# Altium PCB PCB_Vega.PcbDoc (part 2 of 2) (continued)
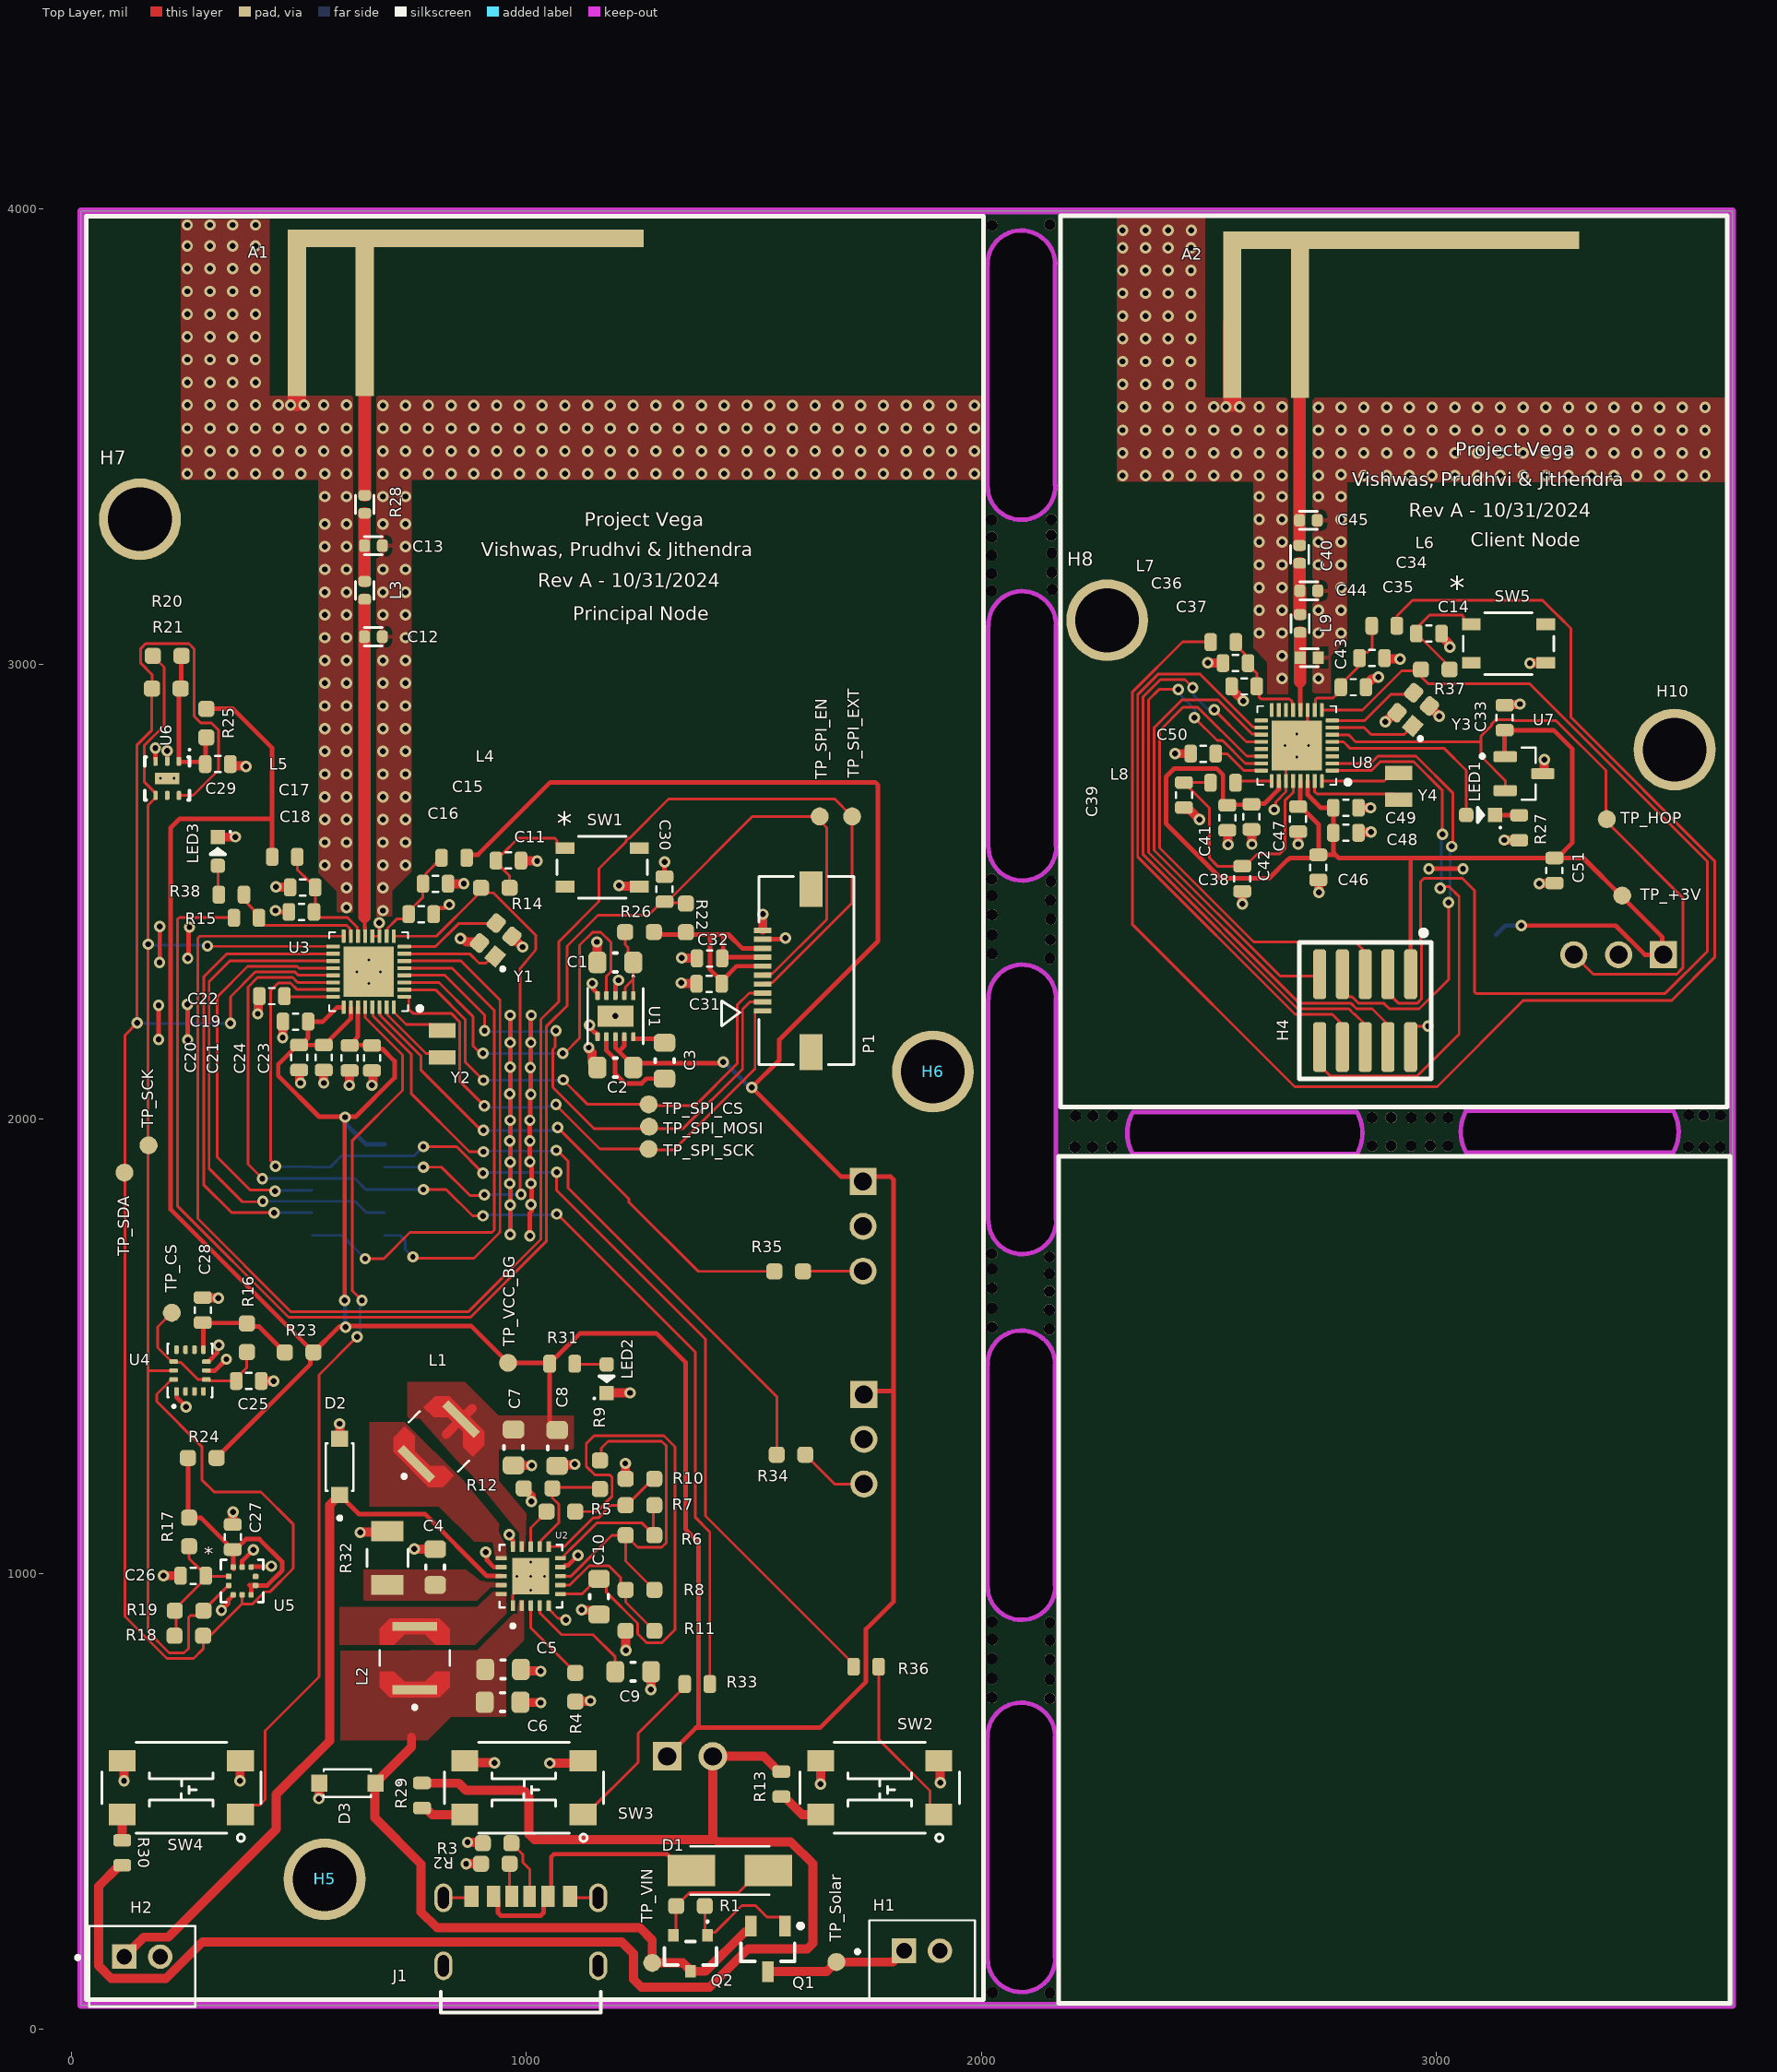
[diagram p0: Top Layer view]
## Nets (pads, with @x,y where several pads share a name; then routed paths per layer and width w, separated by ;. In a path a pad name is that pad's centre, name@x,y a point inside that pad or via, vN(x,y) a via of type N, cw(c..) or ccw(c..) an arc to the next point about the centre after c; other vN are vias at no path point) (continued)
  Top Layer w27.56: L3.2@644.84,3181.84 C13.1@644.84,3264.84 ; C13.1@644.84,3265.16 R28.1@644.84,3331.16
NetC14_1: C14.1 R37.2 SW5.1 | length 273.6
  Top Layer w6: C14.1@2956.44,3067 2961.44,3062 2961.44,3058.2 2966.92,3052.72 2970.72,3052.72 3018.4,3005.05 3018.4,2996.85 R37.2@3029,2986.24 ; C14.1@2961.17,3061.73 2961.17,3083.17 2986,3108 3056.63,3108 3060.19,3104.44 3060.19,3097.32 3070.19,3087.32 SW5.1@3077.31,3087.32
NetC15_1: C15.1 C16.1 L4.2 U3.10 | length 219.3
  Top Layer w6: U3.10@693.22,2401.78 694.55,2403.11 694.55,2418.55 715.39,2439.39 730.96,2439.39 741.44,2449.88 C16.1@741.44,2450 741.44,2455.91 773,2487.46 C15.1@773,2517 ; C15.1@773,2533 779.69,2533 780.08,2533.39 780.08,2540.08 L4.2@814,2574
NetC17_1: C17.1 C18.1 L5.2 U3.14 | length 269.8
  Top Layer w6: L5.2@496.76,2576.01 496.76,2548.36 521.83,2523.28 525.63,2523.28 536.12,2512.8 C17.1@536.12,2509 536.34,2508.78 C18.1@536.34,2455 ; C18.1@533.56,2455 533.56,2453.48 544.04,2443 607,2443 628.9,2421.1 628.9,2403.11 U3.14@630.23,2401.78
NetC22_1: C22.1 U3.24 | length 107.8
  Top Layer w6: C22.1@468.56,2270 470.05,2268.51 U3.24@575.7,2268.51
NetC25_2: C25.2 R16.2 TP_CS.TP U4.5 U4.12 | length 365.6
  Top Layer w6: TP_CS.TP@221,1574 190,1543 190,1497.33 220.65,1466.68 U4.12@225.07,1466.68 227,1464.76 241.13,1464.76 278.57,1427.32 U4.5@296.93,1427.32 301.35,1427.32 304.67,1424 C25.2@362.44,1424 362.44,1429.91 386,1453.46 R16.2@386,1487.5
NetC26_1: C26.1 R17.2 R18.1 R19.1 U5.1 | length 302.8
  Top Layer w6: R18.1@231.5,853 231,853.5 231,924.5 230.5,925 295.56,990.07 C26.1@295.56,996 ; R17.2@259,1060.5 259,1033.79 282.5,1010.28 285.08,1010.28 295.56,999.8 C26.1@295.56,996 ; U5.1@346.16,994.33 297.23,994.33 C26.1@295.56,996
NetC30_2: C30.2 P1.5 R15.2 R22.1 TP_SPI_EN.TP | length 3544.8
  Top Layer w6: R15.2@357.44,2442 356.44,2443 237.51,2443 234,2439.49 234,1808.03 478.03,1564 877.38,1564 1044,1730.62 1044,2202.91 1089.75,2248.66 1089.75,2379.75 1158,2448 1268.65,2448 1298.09,2477.44 C30.2@1304,2477.44 1309.91,2477.44 1497.46,2665 TP_SPI_EN.TP@1645,2665 1645,2655.97 1660.43,2640.54 1660.43,2438.41 1541.08,2319.06 1522.45,2319.06 P1.5@1519.54,2316.16 ; C30.2@1309.91,2475.47 1349.03,2475.47 R22.1@1351,2473.5
NetC34_1: C34.1 C35.1 L6.2 U8.10 | length 261.9
  Top Layer w6: U8.10@2733.05,2899 2734.39,2900.33 2734.39,2921.39 2738,2925 2773.08,2925 2782.06,2933.98 2782.06,2940.62 C35.1@2790.44,2949 2790.44,2955 2829.44,2994 2829.44,3013.05 2841.92,3025.53 2849.07,3025.53 2859,3035.46 L6.2@2859,3084
NetC36_1: C36.1 C37.1 L7.2 U8.13 | length 238.9
  Top Layer w6: L7.2@2559.56,3048 2559.56,3042.09 2578.18,3023.47 2578.18,3010.38 C36.1@2586.56,3002 2587,3002 2587,2997.76 2601.29,2983.47 2601.77,2983.47 2605.56,2979.69 C37.1@2605.56,2951 2611.23,2945.33 2611.23,2926.51 2614.78,2922.96 2678.12,2922.96 2683.39,2917.69 2683.39,2914.86 2684.48,2913.77 2684.48,2900.33 U8.13@2685.81,2899
NetC40_1: C40.1 C44.2 L9.2 | length 112.9
  Top Layer w6: C44.2@2699.66,3160.66 C44.2@2700.31,3160 ; L9.2@2700.34,3109.34 L9.2@2701,3108.69
  Top Layer w27.56: C44.2@2700,3165.31 C40.1@2700,3221.31 ; L9.2@2700.34,3109.34 C44.2@2700.34,3164.34
NetC43_2: C43.2 L9.1 U8.12 | length 168
  Top Layer w10: 2700.69,2961.69 2701.56,2960.81 U8.12@2701.56,2899
  Top Layer w27.56: 2700.69,2961.69 C43.2@2700.69,3016 ; C43.2@2701,3018.69 L9.1@2701,3069.32
NetC50_1: C50.1 U8.24 | length 116.8
  Top Layer w6: C50.1@2515.56,2803 2540.31,2803 2577.58,2765.73 U8.24@2615.53,2765.73 U8.24@2614.52,2766.74
NetD1_A: D1.A J1.A9 J1.B9 | length 601.2
  Top Layer w10: J1.B9@928.16,291.26 938.12,281.3 938.12,254.86 943.98,249 1032.02,249 1037.88,254.86 1037.88,281.3 1055,298.42 1055,378.14 1060.86,384 1309.64,384 1345.64,348 D1.A@1363.35,348
NetD1_C: D1.C Q2.2 R1.2 | length 302.5
  Top Layer w6: Q2.2@1323.6,205.37 1329.5,211.28 R1.2@1329.5,270 1359.12,299.62 1466.55,299.62 1514.93,348 D1.C@1532.65,348
NetD2_1: D2.1 H2.1 U2.18 | length 1671.4
  Top Layer w10: D2.1@590.98,1172.99 632.98,1131 778,1131 913.68,995.32 944.76,995.32 U2.18@945.04,995.04
  Top Layer w20: H2.1@116.63,158.65 159.56,201.58 213.58,201.58 450.67,438.67 450.67,515.67 568,633 568,1151.98 589.02,1172.99 D2.1@590.98,1172.99
NetH4_3: H4.3 R37.1 U8.9 | length 2561
  Top Layer w6: U8.9@2748.8,2899 2838,2899 2924,2985 R37.1@2954,2985 ; H4.3@2894,2318 2894,2277.5 2917.5,2254 2957.98,2254 2967.5,2263.52 2967.5,2391.21 2965.5,2393.21 2965.5,2520.91 2973.09,2528.5 3058.19,2528.5 3084,2502.69 3084,2279.51 3087.51,2276 3503.49,2276 3596,2368.51 3596,2566 3205,2957 2982,2957 R37.1@2954,2985 ; R37.1@2968,2985 R37.1@2954,2985
NetH4_4: H4.4 U8.23 | length 1398.1
  Top Layer w6: v1(2433,2944) 2390.72,2944 2368,2921.28 2368,2585.94 2699.94,2254 2813.05,2254 2825.05,2242 2859.5,2242 2893,2208.5 H4.4@2893,2168 ; v1(2468.8,2881.8) 2518.91,2831.69 2530.31,2831.69 2580.52,2781.48 U8.23@2615.53,2781.48
  Bottom Layer w6: v1(2433,2944) 2433,2938.86 2438.7,2933.16 2438.7,2931.3 2470.22,2899.78 2470.22,2883.22 v1(2468.8,2881.8)
NetH4_5: H4.5 U8.22 | length 1142.7
  Top Layer w6: U8.22@2615.53,2797.23 2583.77,2797.23 2476,2905 2443.56,2905 2392,2853.44 2392,2595.94 2598.94,2389 2822.5,2389 2843,2368.5 H4.5@2843,2318
NetH4_6: H4.6 U8.20 | length 1369.5
  Top Layer w6: v1(2465,2948) 2465,2948.35 2447.85,2965.5 2393.5,2965.5 2356,2928 2356,2580.97 2694.97,2242 2808.08,2242 2820.08,2230 2821.5,2230 2843,2208.5 H4.6@2843,2168 ; v1(2512.2,2899.2) 2582.68,2828.72 U8.20@2615.53,2828.72
  Bottom Layer w6: v1(2465,2948) 2466.7,2946.3 2466.7,2931.3 2496.3,2901.7 2509.7,2901.7 v1(2512.2,2899.2)
NetH4_7: H4.7 U8.2 | length 1033.7
  Top Layer w6: U8.2@2771.83,2781.48 2856.31,2781.48 2872.11,2797.28 2955.78,2797.28 3037,2716.06 3037,2602 v1(3034,2599) ; H4.7@2794,2318 2794,2279.8 2805.18,2268.62 2815.4,2268.62 2830.02,2254 2885.38,2254 2897.38,2242 2962.95,2242 3028,2307.05 3028,2475 v1(3027,2476)
  Bottom Layer w6: v1(3027,2476) 3030.5,2479.5 3030.5,2595.5 v1(3034,2599)
NetH4_8: H4.8 U8.18 | length 1337.3
  Top Layer w6: U8.18@2615.53,2860.22 2614.2,2861.55 2597.45,2861.55 2481.5,2977.5 2388.5,2977.5 2344,2933 2344,2576 2690,2230 2771.5,2230 2793,2208.5 H4.8@2793,2168
NetH4_9: H4.9 U8.19 | length 1041.7
  Top Layer w6: U8.19@2615.53,2844.47 2614.2,2845.8 2596.01,2845.8 2521.11,2920.7 2440.7,2920.7 2380,2860 2380,2590.97 2656.97,2314 2740,2314 H4.9@2744,2318
NetH4_10: H4.10 U8.1 | length 1243.2
  Top Layer w6: H4.10@2744,2158 2744,2117.5 2767.5,2094 2957.98,2094 3050.42,2186.44 3050.42,2489.06 3028.85,2510.64 3012.64,2510.64 v1(3009,2507) ; U8.1@2771.83,2765.73 2857.53,2765.73 2877.08,2785.28 2950.81,2785.28 3013,2723.09 3013,2627.19 v1(3014.19,2626)
  Bottom Layer w6: v1(3009,2507) 3011.59,2509.59 3011.59,2623.41 v1(3014.19,2626)
NetJ1_A5: J1.A5 R2.1 | length 95
  Top Layer w6: J1.A5@961,273 968.32,280.32 J1.A5@968.32,291.26 963.5,296.08 R2.1@963.5,363
NetJ1_B5: J1.B5 R3.1 | length 133.4
  Top Layer w6: R3.1@967.5,408 992.5,383 992.5,365.83 1007.68,350.64 J1.B5@1007.68,291.26
NetJ2_3: J2.3 TP_HOP.TP U7.2 U8.6 | length 1578.5
  Top Layer w6: U8.6@2771.83,2844.47 2807.64,2844.47 2823.11,2829 3098.35,2829 ; U7.2@3152.22,2722.6 3152.22,2743.41 3098.35,2797.28 3098.35,2829 ; J2.3@3302.57,2361 3345.26,2318.31 3528.84,2318.31 3542.11,2331.59 3542.11,2485.89 3373,2655 3373,2766 3263.78,2875.22 3171.94,2875.22 3169.94,2877.22 3131.18,2877.22 3121.87,2867.91 3121.87,2865.08 3098.35,2841.56 3098.35,2829
NetJ3_3: J3.3 R34.1 | length 155.5
  Top Layer w6: R34.1@1613.5,1262 1677.92,1197.57 J3.3@1742.33,1197.57
NetJ4_3: J4.3 R35.2 | length 132.1
  Top Layer w6: R35.2@1608.5,1665 1608.78,1665.29 1740.04,1665.29 J4.3@1740.33,1665.57
NetL1_1: L1.1 U2.16
NetL2_2: L2.2 U2.20 | length 7.1
  Top Layer w6: U2.20@937.95,955.63 U2.20@945.04,955.63
NetL6_1: L6.1 L7.1 | length 3576.2
  Top Layer w6: L7.1@2506,3049 2443.03,3049 2332,2937.97 2332,2428 2689,2071 3002,2071 3191,2260 3517,2260 3612,2355 3612,2566.97 3296,2882.97 3296,3078 3270.19,3103.81 3270.19,3104.05 3264.92,3109.32 3264.68,3109.32 3234,3140 2948.12,3140 2914,3105.88 L6.1@2914,3081
NetL8_1: L8.1 U8.25 | length 81
  Top Layer w6: L8.1@2559.12,2739 2562.82,2742.7 U8.25@2638.57,2742.7
NetLED1_A: LED1.A U8.5 | length 418.2
  Top Layer w6: U8.5@2771.83,2828.72 2796.39,2828.72 2810.12,2815 3017,2815 3066.06,2765.94 LED1.A@3066.06,2668
NetLED1_C: LED1.C R27.2 | length 53.7
  Top Layer w10: LED1.C@3129.05,2668 3129.5,2667.56 R27.2@3182.56,2667.56
NetLED2_A: LED2.A R31.1 | length 71.1
  Top Layer w6: R31.1@1106.56,1462 1108.06,1460.5 LED2.A@1177,1460.5
NetLED3_A: LED3.A R38.2 | length 64.5
  Top Layer w6: LED3.A@322,2556.5 323.22,2555.28 323.22,2494.22 R38.2@324.44,2493
NetP1_1: P1.1 TP_SPI_SCK.TP U3.1 | length 1224.6
  Top Layer w6: U3.1@732,2268.51 740.46,2268.51 741.8,2267.18 741.8,2241.2 750.72,2232.28 835.26,2232.28 853.53,2214 853.53,2083.47 v1(908,2029) ; v1(1065.5,2032) 1065.5,2030.5 1162,1934 1267,1934 1269,1932 1324.64,1932 1502.86,2110.22 1502.86,2234.51 1505.76,2237.42 P1.1@1519.54,2237.42
  Bottom Layer w6: v1(908,2029) 911.64,2025.36 920.65,2025.36 921.01,2025 1041,2025 1044.36,2028.36 1061.86,2028.36 v1(1065.5,2032)
NetP1_2: P1.2 TP_SPI_MOSI.TP U3.4 | length 1223.8
  Top Layer w6: U3.4@732,2315.76 821.24,2315.76 908.5,2228.5 v1(908.5,2194.2) ; v1(1065.5,2194) 1063.5,2192 1063.5,2157.91 1058.5,2152.91 1058.5,2069.41 1148.91,1979 1270,1979 1345,1979 1475.57,2109.57 1475.57,2240.95 1491.72,2257.1 P1.2@1519.54,2257.1
  Bottom Layer w6: v1(908.5,2194.2) 910.7,2192 1063.5,2192 v1(1065.5,2194)
NetP1_3: P1.3 TP_SPI_CS.TP U3.2 | length 1126.8
  Top Layer w6: U3.2@732,2284.26 743.96,2284 800.5,2284 866,2218.5 866,2125 v1(906,2085) ; v1(1081,2086) 1135,2032 1266,2032 1269,2029 1371,2029 1463.57,2121.57 1463.57,2250.22 1490.14,2276.79 P1.3@1519.54,2276.79
  Bottom Layer w6: v1(906,2085) 906.5,2085.5 1075.36,2085.5 1075.86,2086 v1(1081,2086)
NetP1_4: P1.4 TP_SPI_EXT.TP U3.16 | length 3811.1
  Top Layer w6: U3.16@598.73,2401.78 282.51,2401.78 278,2397.27 278,1781 483,1576 872.41,1576 1032,1735.59 1032,2218.59 1072,2258.59 1072,2390 1160,2478 1160,2550.03 1219.19,2609.22 1219.19,2612.05 1224.47,2617.32 1227.29,2617.32 1312.97,2703 1678.34,2703 1713.4,2667.94 1716.34,2667.94 TP_SPI_EXT.TP@1716.34,2665 1716.34,2474.64 1541.08,2299.38 1522.45,2299.38 P1.4@1519.54,2296.47
NetQ1_1: Q1.1 Q2.1 R1.1 | length 288.6
  Top Layer w6: R1.1@1392.5,270 1392.5,211.28 Q2.1@1398.4,205.37 1405.73,212.7 1415.7,212.7 1474,271 1504,271 1529.17,245.83 1558.61,245.83 1568.4,236.04 Q1.1@1568.4,226.2
NetR4_2: R4.2 U2.3 | length 190
  Top Layer w6: U2.3@1010,930.04 1010,881.5 R4.2@1110,781.5
NetR5_2: R5.2 U2.13 | length 90.5
  Top Layer w6: U2.13@1010,1060 1010,1101 R5.2@1045,1136
NetR6_1: R6.1 R8.1 R9.1 U2.8 | length 826.6
  Top Layer w6: U2.8@1074.96,995.04 1098.39,995 1188.39,1085 R6.1@1218.5,1085 ; R9.1@1162,1249.5 1164.72,1252.21 1164.72,1276.21 1180.22,1291.72 1297.75,1291.72 1308.21,1281.26 1308.21,1068.74 1297.75,1058.28 1245.22,1058.28 R6.1@1218.5,1085 ; R8.1@1281.5,965 1218.5,1027.99 R6.1@1218.5,1085
NetR6_2: R6.2 R7.1 U2.10 | length 308.5
  Top Layer w6: U2.10@1081.52,1034.37 1082.01,1034.37 1083.77,1036.13 1083.77,1041.19 1104.59,1062.01 1105.01,1062.01 1154.72,1111.72 1254.78,1111.72 R6.2@1279,1087.5 ; R7.1@1279,1150 R6.2@1279,1087.5 ; R6.2@1281.5,1085 R6.2@1279,1087.5
NetR7_2: R7.2 R10.1 U2.11 | length 293.8
  Top Layer w6: U2.11@1049.37,1060 1084,1060 1147.72,1123.72 1159.16,1123.72 1186.44,1151 1221,1151 1279,1209 R10.1@1281.5,1209
NetR8_2: R8.2 R11.1 U2.7 | length 308.8
  Top Layer w6: U2.7@1074.96,975.32 1095.68,975.32 1138.42,1018.06 1181.58,1018.06 1207.92,991.72 1207.92,975.58 R8.2@1218.5,965 1218.5,937.99 R11.1@1281.5,875
NetR9_2: R9.2 R12.1 U2.12 | length 263.7
  Top Layer w6: U2.12@1029.68,1060 1031.41,1061.72 1031.41,1072.41 1072,1113 1072,1152.48 1057.5,1166.98 1057.5,1193 1060.74,1189.75 1158.75,1189.75 R9.2@1162,1186.5
NetR13_2: R13.2 SW2.2 | length 102.4
  Top Layer w20: R13.2@1561,510.44 1566.91,510.44 1606.4,470.94 SW2.2@1647.08,470.94
NetR15_1: R15.1 R38.1 U3.15 | length 294.3
  Top Layer w6: R38.1@379.56,2493 387.94,2484.62 387.94,2472.53 412.56,2447.91 R15.1@412.56,2442 412.56,2438.2 425.02,2425.74 605.52,2425.74 612.06,2419.2 612.06,2417.94 613.15,2416.85 613.15,2403.11 U3.15@614.48,2401.78
NetR29_2: R29.2 SW3.2 | length 100.1
  Top Layer w20: R29.2@771,485.44 779.01,485.44 793.51,470.94 SW3.2@865.08,470.94
NetR30_2: R30.2 SW4.2 | length 56.4
  Top Layer w6: SW4.2@112,470.87 SW4.2@112.08,470.94
  Top Layer w20: R30.2@112,414.56 SW4.2@112,470.87
NetR33_2: R33.2 SW3.1 | length 383.1
  Top Layer w6: SW3.1@1124.92,470.94 1130.83,470.94 1245.76,585.87 1245.76,649.41 1348.44,752.09 R33.2@1348.44,758
NetR34_2: R34.2 U3.29 | length 1470.1
  Top Layer w6: U3.29@661.72,2245.48 663.06,2244.15 663.06,2226.66 747,2142.71 747,2055.97 874.97,1928 v1(906,1928) ; v1(1066,1931) 1068,1931 1091.5,1907.5 1091.5,1848.91 1551,1389.41 R34.2@1551,1261
  Bottom Layer w6: v1(906,1928) 907.5,1929.5 1064.5,1929.5 v1(1066,1931)
NetR35_1: R35.1 U3.30 | length 1145
  Top Layer w6: U3.30@677.47,2245.48 678.8,2244.15 678.8,2227.88 769,2137.68 769,2107 901,1975 v1(906,1975) ; v1(1069,1981) 1225.32,1824.68 1225.32,1817.68 1378,1665 R35.1@1545.5,1665
  Bottom Layer w6: v1(906,1975) 1057.86,1975 1063.86,1981 v1(1069,1981)
NetR36_2: R36.2 SW2.1 | length 383.3
  Top Layer w6: R36.2@1774.56,796 1774.56,636.14 1887.39,523.3 1887.39,484.57 1901.02,470.94 SW2.1@1906.92,470.94
NetSW4_1: SW4.1 U3.28 | length 1985.6
  Top Layer w6: SW4.1@371.92,470.94 392.54,491.57 413.44,491.57 426,504.12 426,655.26 544.5,773.75 544.5,1437.5 v1(628,1521) ; v1(639,1601) 618,1622 618,1953 728,2063 728,2140.72 645.98,2222.74 U3.28@645.98,2245.48
  Bottom Layer w6: v1(628,1521) 628,1525.06 635,1532.06 635,1587.64 636.13,1588.77 636.13,1598.13 v1(639,1601)
NetU1_4: U1.4 U3.3 | length 916.4
  Top Layer w6: U3.3@732,2300.01 808.02,2300.01 882.75,2225.28 882.75,2161.11 899.86,2144 v1(905,2144) ; v1(1080,2144) 1083.59,2144 1117.36,2177.78 1117.36,2381.77 1146.09,2410.5 1163.91,2410.5 1186,2388.41 1186,2323.1 1176.32,2313.42 U1.4@1176.32,2271.28
  Bottom Layer w6: v1(905,2144) v1(1080,2144)
NetU3_7: U3.7 Y1.1 | length 214.9
  Top Layer w6: U3.7@732,2363 875.58,2363 896.33,2342.25 911.16,2342.25 926.5,2357.58 Y1.1@931.99,2357.58
NetU3_8: U3.8 Y1.3 | length 223.4
  Top Layer w6: U3.8@732,2378.75 800.69,2378.75 851.09,2429.15 932.74,2429.15 Y1.3@934.01,2430.42
NetU8_7: U8.7 Y3.1 | length 191
  Top Layer w6: U8.7@2771.83,2860.22 2841.78,2860.22 2857,2845 2929.79,2845 Y3.1@2948.68,2863.9
NetU8_8: U8.8 Y3.3 | length 204
  Top Layer w6: U8.8@2771.83,2875.97 2842.97,2875.97 2900,2933 2946.96,2933 Y3.3@2950.69,2936.73
NetU8_31: U8.31 Y4.1 | length 215.6
  Top Layer w6: U8.31@2733.05,2742.7 2733.05,2718.74 2737.57,2714.22 2904.81,2714.22 Y4.1@2917.56,2701.47
NetU8_32: U8.32 Y4.2 | length 189.9
  Top Layer w6: U8.32@2748.8,2742.7 2885.95,2742.7 2903.78,2760.53 Y4.2@2917.56,2760.53 Y4.2@2931.34,2760.53
PB_PULLUP: H9.2 R13.1 R29.1 R30.1 | length 3469.1
  Top Layer w20: R30.1@112,359.44 108.22,355.66 102.31,355.66 60,313.35 60,138.8 87.8,111 208.43,111 288.43,191 1210,191 1236,165 1236,109 1253,92 1403.19,92 1487.19,176 1618.28,176 1630,187.72 1630,363 1581.8,411.2 1422.08,411.2 ; R29.1@771,540 851.39,540 867.39,524 994.28,524 1006,512.28 1006,427.72 1017.72,416 1414.45,416 ; 1410,416 H9.2@1410,599 1521.65,599 1555.09,565.56 R13.1@1561,565.56
PTI_DATA_BG: H3.10 U3.5 | length 1167.7
  Top Layer w6: v3(646,1693) 687,1693 744.5,1750.5 924.95,1750.5 930,1755.55 930,2238.81 837.31,2331.5 U3.5@732,2331.5
  Bottom Layer w6: H3.10@529,1744 595,1744 v3(646,1693)
PTI_FRAME_BG: H3.9 U3.6 | length 1065.2
  Top Layer w6: U3.6@732,2347.25 856.75,2347.25 942.5,2261.5 942.5,1753.91 942,1753.41 942,1750.58 885.42,1694 754,1694 v3(751,1697)
  Bottom Layer w6: H3.9@689,1744 722.57,1744 733.75,1732.82 733.75,1714.25 v3(751,1697)
RST_BG: H3.3 R14.1 U3.9 | length 1313.9
  Top Layer w6: U3.9@708.97,2401.78 802.78,2401.78 889.4,2488.4 889.4,2496.9 R14.1@900.5,2508 909.36,2499.14 911.46,2497.04 927.96,2497.04 1021,2404 1021,2372.15 987.9,2332.71 986.5,2331.03 986.5,2328.85 986.5,1836 v1(988.5,1834) ; v3(774,1894) 814,1894 876.5,1831.5 906.5,1831.5 v1(908,1833)
  Bottom Layer w6: H3.3@689,1894 v3(774,1894) ; v1(908,1833) 908.5,1833.5 988,1833.5 v1(988.5,1834)
Solar_P: H1.1 Q1.3 TP_Solar.TP | length 318.6
  Top Layer w20: Q1.3@1531,125.8 1660.6,125.8 1681.8,147 1805.98,147 H1.1@1830.63,171.65
SWCLK_BG: H3.8 U3.18 | length 1025.8
  Top Layer w6: v1(446,1794) 352.45,1794 291,1855.45 291,2312 342,2363 U3.18@575.7,2363
  Bottom Layer w6: v1(446,1794) H3.8@529,1794
SWDIO_BG: H3.7 U3.19 | length 1127
  Top Layer w6: v1@419,1818 376,1818 303,1891 303,2302 348.25,2347.25 U3.19@575.7,2347.25
  Bottom Layer w6: v1(421,1819) 623.5,1819 648.5,1794 H3.7@689,1794
SWO_BG: H3.6 U3.20 | length 876.7
  Top Layer w6: v1(448,1841) 445,1844 393,1844 321,1916 321,2268.46 387.8,2335.25 496.38,2335.25 500.12,2331.5 U3.20@575.7,2331.5
  Bottom Layer w6: v1(448,1841) 449.5,1842.5 527.5,1842.5 H3.6@529,1844
V_IN: C5.2 C6.2 D3.1 L2.1 Q1.2 Q2.3 TP_VIN.TP U2.2 | length 1355.2
  Top Layer w6: L2.1@715.63,745.51 L2.1@755,745.51
  Top Layer w20: 748,641 748,619.98 669.01,540.98 D3.1@669.01,540 667,537.99 667,464 768.99,362.01 768.99,257.01 804,222 1250,222 1277,195 TP_VIN.TP@1277,145 1344.6,145 1361,128.6 Q2.3@1361,126.63 1394.03,126.63 1480.96,213.56 1490.8,213.56 1493.6,216.35 Q1.2@1493.6,226.2
VCC_BG: C2.2 C7.2 C8.2 C19.1 C20.1 C21.1 C23.1 C24.1 H3.1 H9.1 J3.1 J4.1 L1.2 L4.1 L5.1 R23.1 R24.1 R25.1 R31.2 TP_VCC_BG.TP U1.8 U1.9 U2.14 U3.25 U3.26 U3.27 | length 9995.8
  Top Layer w10: R25.1@297,2901.5 355.5,2901.5 441.64,2815.36 L5.1@441.64,2576.01 ; R24.1@319.5,1255 525.66,1461.16 R23.1@525.66,1480.16 ; 440,2660 238.72,2660 218,2639.28 218,1801.5 R23.1@528.64,1490.86 ; C20.1@512.8,2170.56 520.56,2178.32 C19.1@520.56,2214 ; C19.1@520.56,2222 C19.1@520.56,2214 ; R23.1@532.5,1487 589.04,1543.54 ; C21.1@555,2161 558.32,2161 568.52,2171.19 568.52,2174.52 614.48,2220.48 U3.26@614.48,2245.48 ; C21.1@555,2162.56 C20.1@501,2162.56 495.09,2162.56 491.31,2158.78 491.31,2156.67 455,2120.36 455,2094.77 544.77,2005 v1@601,2005 ; U3.25@598.73,2245 584,2245 553,2214 C19.1@520.56,2214 ; v1(601,1601) v1@601,2005 ; v1(603,1542.5) 605,1544.5 879.5,1544.5 TP_VCC_BG.TP@960,1464 R31.2@1049.44,1464 ; C24.1@606,2162.56 C24.1@611.91,2162.56 ; U3.27@630.23,2245.48 630.23,2180.88 C24.1@611.91,2162.56 ; C23.1@658.8,2162.56 C24.1@611.91,2162.56 ; C23.1@665,2161.56 672.6,2153.96 684.04,2153.96 710.69,2127.31 710.69,2090.45 625.23,2005 v1@601,2005 ; L4.1@869.12,2574 869.12,2577.21 872.9,2580.99 893.99,2580.99 1053,2740 1767.14,2740 1773,2734.14 1773,2390.96 1556,2173.96 1556,2129 v1(1496,2069) 1692.15,1872.85 1740.33,1872.85 1801.14,1872.85 1807,1866.99 1807,1402 ; C8.2@1051.44,1319.81 R31.2@1051.44,1462 ; R31.2@1051.44,1465.8 1061.92,1476.28 1065.72,1476.28 1118.44,1529 1286,1529 1350,1465 1350,1098.69 1379,1069.69 1379,778.43 1378.78,778.21 1378.78,737.79 1379,737.57 1379,662.06 ; U1.8@1196,2180.72 1196,2156.31 1203.65,2148.65 ; U1.9@1215.68,2180.72 1215.68,2160.68 1203.65,2148.65 ; H9.1@1310,599 1373.06,662.06 1379,662.06 ; v1@1430.13,2122.13 1240.56,2122.13 1235.37,2116.94 1203.65,2148.65 ; J3.1@1742.33,1394.43 1749.91,1402 1807,1402 ; 1379,662.06 1646.06,662.06 1747,763 1747,878.72 1807,938.72 1807,1402
  Top Layer w20: 824,1307 L1.2@857.14,1340.14 880.56,1363.56 881.56,1363.56
  Bottom Layer w6: v1@1431,2125 v1(1433,2125) v1@1435.5,2125 ; v1@1491.5,2069 v1(1496,2069)
  Bottom Layer w10: v1(601,1601) 602,1600 602,1543.5 v1(603,1542.5) ; v1(602,2004) 604.87,2001.13 604.87,1987.63 648.5,1944 H3.1@689,1944 ; v1@1435.5,2125 v1@1491.5,2069
VCOM_RX_BG: H3.4 R36.1 U3.23 | length 2560.5
  Top Layer w6: v1(449,1896) 449,1898.01 438,1909.01 438,2281.6 455.09,2298.69 482.03,2298.69 496.46,2284.26 U3.23@575.7,2284.26 ; v3(774,1939) 847,1939 v1(905,1881) ; v1(1067,1883) 1067,1843 1394,1516 1394,1127.35 1719.44,801.91 R36.1@1719.44,796
  Bottom Layer w6: v1(449,1896) 450,1895 528,1895 H3.4@529,1894 569.5,1894 594.62,1919.12 754.12,1919.12 v3(774,1939) ; v1(905,1881) 906,1882 1066,1882 v1(1067,1883)
VCOM_TX_BG: H3.5 R33.1 U3.22 | length 2490.5
  Top Layer w6: v1(420,1869) 388.5,1900.5 388.5,2289.95 409.55,2311 486.69,2311 497.68,2300.01 U3.22@575.7,2300.01 ; v3(774,1845) 824,1845 882,1787 v1(905,1787) ; v1(1067,1791) 1068,1791 1372,1487 1372,1123.64 1403.56,1092.08 R33.1@1403.56,758
  Bottom Layer w6: v1(420,1869) 623.5,1869 648,1844.5 v3@773.5,1844.5 ; v1(905,1787) 907,1789 1065,1789 v1(1067,1791)
  Bottom Layer w10: v3@773.5,1844.5 v3(774,1845)
VDCDC: C38.1 C39.1 L8.2 U8.28 | length 593.8
  Top Layer w6: L8.2@2504,2739 2503.44,2739.56 C39.1@2445.56,2739.56 2502,2683.12 2502,2573.42 2520.42,2555 2579.35,2555 2607.08,2582.73 2656.24,2582.73 2667.56,2594.05 2667.56,2699.72 2685.81,2717.97 U8.28@2685.81,2742.7
VSTOR: C4.2 R32.1 U2.19 | length 1
  Top Layer w6: R32.1@695,976 R32.1@695.37,975.63 ; C4.2@820,975.63 C4.2@820.31,975.32
pads on no net: P1.P1 P1.P2 SW1.2 SW1.3 SW5.2 SW5.3 U2. U3. U4.2 U4.3 U4.4 U4.9 U4.10 U4.11 U5.7 U6.5 U8. U8.3 U8.4 U8.14 U8.15 U8.16 U8.17 U8.21

## Polygon pours and split planes (outlines as drawn)
V_IN on Top Layer "Top Layer-V_IN" (solid, pour order 28): 592,634 783,634 835,686 956,686 956,815 995,854 995,942 985,942 979,912 972,912 892.66,832.66 592,830.89
GND on Top Layer "GND_L01_P020" (solid, pour order 25): 2598,3035 2629,3004 2629,2925 2674,2925 2674,3580 2669,3585 2492,3585 2492,3981 2298,3981 2298,3401 2598,3401 2598,3055
GND on Top Layer "GND_L01_P014" (solid, pour order 27): 2728,2932 2769,2932 2769,3018 2804,3053 2804,3400 3634,3400 3635,3401 3635,3585 2734,3585 2728,3579 2728,3053
NetL1_1 on Top Layer "NETL1_1_L01_P023" (solid, pour order 23): 957,1033 955.74,1059.41 938.94,1093.22 940.32,1110.8 862.51,1204.49 733,1334 656,1334 656,1148 808,1148 885.39,1070.61 926,1069 933,1031
VCC_BG on Top Layer "VCC_BG_L01_P009" (solid, pour order 9): 939,1204.49 939,1273.39 1105,1272.85 1105,1348 939,1348 865,1422 739,1422 739,1341.43 766,1342 843.82,1253.91 881.67,1216.06 985,1089.02 985,1049 995.24,1049 997.76,1070.81 1000.17,1133.31
GND on Top Layer "GND_L01_P017" (solid, pour order 17): 2000,3589 2000,3581 2000,3405.35 749.65,3405.35 749,3406 748,3405 748,2544 705,2501 705,2445 671,2445 671,3586 674,3589
GND on Top Layer "GND_L01_P016" (solid, pour order 16): 436,3978 241,3978 241,3404 242,3405 543,3405 543,2541 584,2500 584,2441 619,2441 619,3586 616,3589 436,3589
NetL2_2 on Top Layer "NETL2_2_L01_P004" (solid, pour order 4): 955.48,961 926,961 892,927 590,927 590,844 888,844 956.53,912.53
VSTOR on Top Layer "VSTOR_L01_P001" (solid, pour order 1): 901,984 867,1009 643,1009 643,938 646,941 892,941 922,971 958,971 958,980
GND on Bottom Layer "Bottom Layer-GND 1" (solid, pour order 22): 2177,2031 3641,2031 3641,3585 2491,3585 2491,3994 2177,3994
GND on Bottom Layer "Bottom Layer-GND" (solid, pour order 21): 25,50 2000,50 2000,3589 436,3589 436,3995 25,3995

## Keep-outs
Keep-Out Layer:
  lines w10: 2013,156 2013,640 ; 2013,974 2013,1458 ; 2013,3392 2013,3876 ; 2014,153 ccw(c2088,155) 2090,81 ; 2014,641 cw(c2088,643) 2086,717 cw(c2087.5,641.5) 2163,643 ; 2014,971 ccw(c2088,973) 2090,899 ; 2014,1459 cw(c2088,1461) 2086,1535 cw(c2087.5,1459.5) 2163,1461 ; 2014,3389 ccw(c2088,3391) 2090,3317 ; 2014,3877 cw(c2088,3879) 2086,3953 cw(c2087.5,3877.5) 2163,3879 ; 2015,1778 2015,2262 ; 2015,2599 2015,3083 ; 2016,1775 ccw(c2090,1777) 2092,1703 ; 2016,2263 cw(c2090,2265) 2088,2339 cw(c2089.5,2263.5) 2165,2265 ; 2016,2596 ccw(c2090,2598) 2092,2524 ; 2016,3084 cw(c2090,3086) 2088,3160 cw(c2089.5,3084.5) 2165,3086 ; 2091,81 ccw(c2089,155) 2163,157 ; 2091,899 ccw(c2089,973) 2163,975 ; 2091,3317 ccw(c2089,3391) 2163,3393 ; 2093,1703 ccw(c2091,1777) 2165,1779 ; 2093,2524 ccw(c2091,2598) 2165,2600 ; 2162,157 2162,643 ; 2162,975 2162,1461 ; 2162,3393 2162,3879 ; 2164,1779 2164,2265 ; 2164,2600 2164,3086 ; 3065,2018 3521,2018 cw(c3438.83,1972) 3521,1926 3066,1926 cw(c3148.17,1972) 3066,2018 ; 2333,1923 cw(c2415.17,1969) 2333,2015 2826,2015 cw(c2743.83,1969) 2826,1923 2333,1923
  lines w15: 21,52 3651,52 3651,3996 21,3996 21,52

## Silkscreen, mask and mechanical layers (free items; w line width, h text height)
Top Overlay:
  lines w10: 33,64 2005,64 2005,3984 33,3984 33,64 ; 2170,56 3646,56 3646,1918 2170,1918 2170,56 ; 2174,2026 3640,2026 3640,3985 2174,3985 2174,2026
  text "Project Vega" at 3042,3457 h30
  text "Vishwas, Prudhvi & Jithendra" at 2815,3391 h30
  text "Rev A - 10/31/2024" at 2940,3323 h30
  text "Project Vega" at 1128,3303 h30
  text "Client Node" at 3076,3258 h30
  text "Vishwas, Prudhvi & Jithendra" at 901,3237 h30
  text "Rev A - 10/31/2024" at 1026,3169 h30
  text "Principal Node" at 1103,3096 h30

## Text inside footprints (layer, text, board x,y; h text height)
SW1: Top Overlay "*" at 1067,2625 h50; Mechanical 13 "*" at 1095,2546 h50
SW5: Top Overlay "*" at 3029,3143 h50; Mechanical 13 "*" at 3087,3038 h50
U5: Top Overlay "*" at 292,1029 h30